# KiCad board proteus.kicad_pcb (continued)
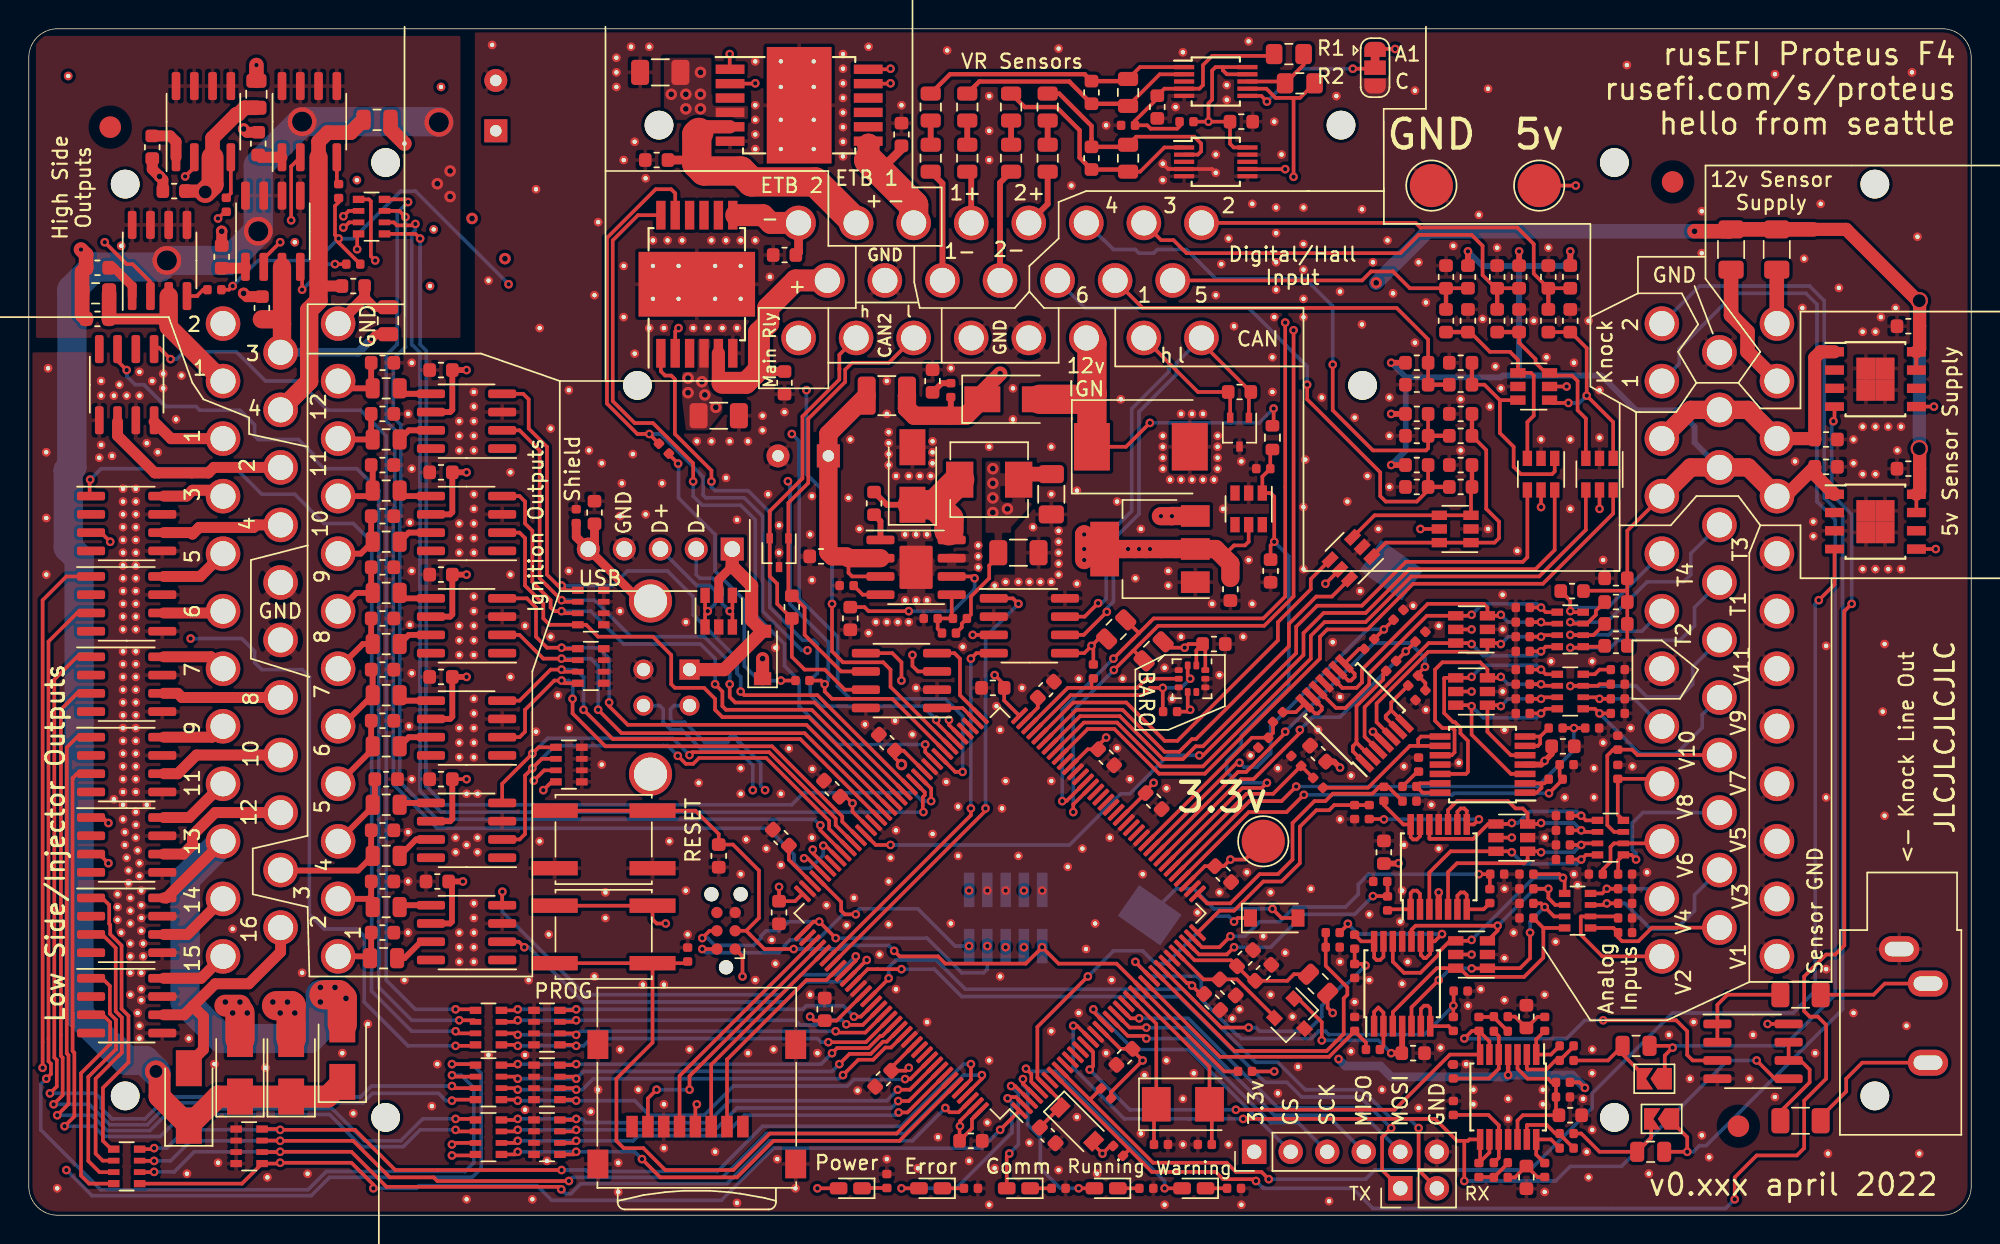
[diagram p0: board, top side]
## Routing (per net, layer and track width the routed paths; a pad name or vN(x,y) marks a point on that pad's centre or on a via; arc(x,y) is an arc through that point) (continued)
/etb-2/DIR: length 42
  Top w0.254: v3(63.06,34.45) 63.06,34.27 U1501.78 ; v2(47.44,51.02) 47.44,51.78 44.9,54.32 44.9,58.13 44.65,58.39 44.22,58.39 43.93,58.68 43.93,59.94
  Bottom w0.254: v3(63.06,34.45) 62.11,35.4 55.06,35.4 54.3,36.16 54.3,37.18 54.81,37.69 54.81,39.72 54.56,39.97 53.79,39.97 51.51,42.26 51.51,48.86 49.98,50.39 47.7,50.39 47.44,50.64 v2(47.44,51.02)
/etb-2/DIS: length 61.3
  Top w0.254: U11.11 44.93,71.06 44.65,71.34 43.57,71.34 40.18,67.95 40.18,56.44 42.3,54.32 v2(43.13,54.32) R48.1 ; U1501.77 63.95,34.09 v3(63.95,34.45)
  In2.Cu w0.254: v2(54.12,39.28) 54.12,36.34 55.32,35.15 63.76,35.15 63.95,34.96 v3(63.95,34.45)
  Bottom w0.254: 54.05,39.35 v2(54.12,39.28) 53.72,39.28 51,42 51,48.61 49.73,49.88 47.06,49.88 46.86,50.08 46.86,51.35 43.89,54.32 v2(43.13,54.32)
/HS1: length 13.7
  Top w0.762: 9.73,61.77 9.18,62.32 C1301.1
  Top w1.016: R34.1 5.58,62.35 C1301.1
  Top w1.27: J102.2 9.73,61.77 U1102.3
/HS2: length 19.5
  Top w0.914: v4(12.27,71.15) 12.2,71.21 C1302.1
  Top w1.016: 12.77,73.56 12.77,74.9 14.42,76.55 14.55,76.55 15.01,77.01 R35.1
  Top w1.524: 12.77,73.56 12.77,71.66 v4(12.27,71.15)
  In2.Cu w2.032: J102.1 12.3,63.2 12.3,66.9 11.63,67.57 11.63,70.52 v4(12.27,71.15)
/HS3: length 15.5
  Top w0.61: v2(23.82,60.93) 24.15,61.26 R36.1
  Top w1.27: J102.13 17.6,60.1 17.6,61.94 ; U1104.3 17.6,61.94 ; 17.6,61.94 17.24,62.3 C1303.1
  Bottom w0.61: v2(23.82,60.93) 22.9,60 J102.13
/HS4: length 25.2
  Top w0.762: C1304.1 20.27,64.61 20.14,64.74
  Top w1.016: 20.14,73.56 20.14,74.64 20.77,75.28 22.38,75.28 R37.1
  Top w1.27: 20.14,73.56 20.14,63.58 19.49,62.93 19.49,57.99 J102.14
/IGN1: length 4.1
  Top w0.406: C1605.1 23.8,17.95 R1601.1 23.6,18 J102.35
/IGN2: length 4.2
  Top w0.406: 23.8,22.17 23.63,22 J102.34 ; 23.8,22.17 C1606.1 ; 23.8,22.17 23.8,21.53 R1602.1
/IGN3: length 8.7
  Top w0.406: C1608.1 23.8,25.09 R1603.1 22.88,23.97 17.53,23.97 J102.22
/IGN4: length 5.4
  Top w0.406: C1609.1 24.05,28.69 R1604.1 23.9,28.4 J102.33
/IGN5: length 5.4
  Top w0.406: J102.32 23.9,32.4 R1701.1 23.8,32.71 C1702.1
/IGN6: length 5.1
  Top w0.406: C1703.1 23.9,37.84 R1702.1 21.74,34 J102.31
/IGN7: length 4.9
  Top w0.406: C1705.1 23.8,39.82 R1703.1 23.22,39.72 J102.30
/IGN8: length 4.7
  Top w0.406: J102.29 22.77,43.27 R1704.1 23.8,43.38 C1706.1
/IGN9: length 4.6
  Top w0.406: C1802.1 23.8,46.93 R1801.1 23.07,46 J102.28
/IGN10: length 4.4
  Top w0.406: C1803.1 23.9,52.06 R1802.1 23.51,50 J102.27
/IGN11: length 4.2
  Top w0.406: C1805.1 23.8,54.05 R1803.1 21.56,53.94 J102.26
/IGN12: length 4.4
  Top w0.406: J102.25 22,57.5 R1804.1 23.8,57.6 C1806.1
/knock/FILTERED_1: length 57
  Top w0.254: C23.2 101.52,12.09 U5.6 ; C23.2 100.3,12.82 v2(99.77,12.29) ; C23.2 100.78,11.25 U5.7 98.77,11.17 94.93,7.33 v2(83.89,7.33) ; v2(73.73,10.13) 73.97,10.36 73.97,11.35 U1501.14 ; v2(109.42,13.56) 114.5,13.56 115.26,12.79 115.26,11.14 115.64,10.76 U7.3
  Bottom w0.254: v2(109.42,13.56) 108.15,13.56 106.88,12.29 v2(99.77,12.29) ; v2(73.73,10.13) 76.53,7.33 v2(83.89,7.33)
/knock/FILTERED_2: length 67.9
  Top w0.254: v2(72.59,13.18) 72.85,13.18 U1501.15 ; 99.77,5.17 v2(99.77,2.38) ; 99.77,5.17 99.26,5.17 97.74,6.7 v2(84.4,6.7) ; 99.77,5.17 100.02,5.17 100.12,5.27 U5.8 100.87,3.71 C24.2 101.52,4.36 U5.9 ; U7.5 121.36,9.49 v2(120.09,10.76)
  Bottom w0.254: v2(120.09,10.76) 118.06,10.76 110.69,3.4 107.13,3.4 106.12,2.38 v2(99.77,2.38) ; v2(84.4,6.7) 76.15,6.7 72.59,10.25 v2(72.59,13.18)
/knock/V_mid: length 10.8
  Top w0.254: U5.3 103.47,10.19 104.17,9.49 105.59,9.49 105.85,9.24 R40.1 R38.1 106.14,7.16 C1903.2 103.83,6.95 103.47,6.59 U5.12
/KNOCK_1: length 79.8
  Top w0.254: 113.7,9.71 JP1.1 113.7,11.11 v2(114.25,11.65) 114.12,11.78 C1901.2
  Bottom w0.254: v2(114.25,11.65) 114.37,11.78 121.99,11.78 125.55,15.33 125.55,48.35 124.28,49.62 124.28,63.34 123.52,64.1 118.56,64.1 114.7,60.24 114.7,59.2 J103.34
/KNOCK_2: length 81.8
  Top w0.254: JP2.1 114.21,6.48 115.26,5.43 v2(115.26,4.41) C1902.2
  Bottom w0.254: J103.35 116.11,64.61 123.77,64.61 124.79,63.59 124.79,49.88 126.06,48.61 126.06,14.32 116.58,4.84 116.11,4.84 115.69,4.41 v2(115.26,4.41)
/lowside_quad1/IN1: length 27.9
  Top w0.254: RN202.8 37.98,14.25 v2(38.05,14.32) ; v2(57.35,13.81) 57.84,13.81 U1501.123 ; RN201.4 33.91,14.25 v2(33.98,14.32)
  Bottom w0.254: v2(57.35,13.81) 56.59,14.57 54.05,14.57 53.79,14.32 v2(38.05,14.32) v2(33.98,14.32)
/lowside_quad1/IN2: length 28.3
  Top w0.254: v2(56.82,13.28) 56.87,13.23 57.96,13.23 U1501.124 ; RN201.3 33.87,13.45 v2(33.98,13.56) ; v2(38.05,13.56) 37.94,13.45 RN202.7
  Bottom w0.254: v2(56.82,13.28) 56.52,13.58 55.09,13.58 54.74,13.23 53.61,13.23 53.29,13.56 v2(38.05,13.56) v2(33.98,13.56)
/lowside_quad1/IN3: length 28.5
  Top w0.254: RN201.2 33.87,12.65 v2(33.98,12.54) ; U1501.125 58.14,12.7 56.17,12.7 v2(56.08,12.79) ; v2(38.05,12.54) 37.94,12.65 RN202.6
  Bottom w0.254: v2(33.98,12.54) v2(38.05,12.54) 38.3,12.79 v2(56.08,12.79)
/lowside_quad1/IN4: length 29.1
  Top w0.254: v2(55.57,12.03) 58.18,12.03 U1501.126 ; RN201.1 33.91,11.85 v2(33.98,11.78) ; RN202.5 37.98,11.85 v2(38.05,11.78)
  Bottom w0.254: v2(33.98,11.78) v2(38.05,11.78) 38.55,11.78 39.06,12.29 54.81,12.29 55.06,12.03 v2(55.57,12.03)
/lowside_quad2/IN1: length 29.6
  Top w0.254: U1501.127 59.33,12.47 59.19,12.47 58.35,11.63 56.18,11.63 v2(55.83,11.27) ; v2(38.05,10.51) 37.98,10.44 RN302.8 ; RN301.4 33.91,10.44 v2(33.98,10.51)
  Bottom w0.254: v2(33.98,10.51) v2(38.05,10.51) 55.06,10.51 v2(55.83,11.27)
/lowside_quad2/IN2: length 30.3
  Top w0.254: RN302.7 37.9,9.64 v2(38.05,9.49) ; v2(33.98,9.49) 33.84,9.64 RN301.3 ; v2(56.33,10.51) 57.05,11.22 58.52,11.22 59.36,12.07 59.63,12.07 U1501.128
  Bottom w0.254: v2(56.33,10.51) 55.83,10 38.55,10 v2(38.05,9.49) v2(33.98,9.49)
/lowside_quad2/IN3: length 30.8
  Top w0.254: v2(56.59,9.75) 57.65,10.81 58.68,10.81 59.53,11.66 59.93,11.66 U1501.129 ; RN302.6 37.94,8.84 v2(38.05,8.73) ; v2(33.98,8.73) 33.87,8.84 RN301.2
  Bottom w0.254: v2(33.98,8.73) v2(38.05,8.73) 38.47,8.73 39.23,9.49 56.33,9.49 v2(56.59,9.75)
/lowside_quad2/IN4: length 33
  Top w0.254: v2(33.98,7.97) 33.91,8.04 RN301.1 ; v2(38.05,7.97) 37.98,8.04 RN302.5 ; v2(60.9,9.47) 61.27,9.47 U1501.134
  Bottom w0.254: v2(60.9,9.47) 60.87,9.44 57.35,9.44 56.9,8.98 48.97,8.98 46.94,6.95 43.13,6.95 42.11,7.97 v2(38.05,7.97) v2(33.98,7.97)
/lowside_quad3/IN1: length 33.1
  Top w0.254: RN401.4 33.91,6.63 v2(33.98,6.7) ; RN402.8 37.98,6.63 v2(38.05,6.7) ; U1501.135 61.24,8.73 v2(60.4,8.73)
  Bottom w0.254: v2(60.4,8.73) 59.64,7.97 48.71,7.97 47.19,6.44 38.72,6.44 38.47,6.7 v2(38.05,6.7) v2(33.98,6.7)
/lowside_quad3/IN2: length 33.4
  Top w0.254: v2(33.98,5.94) 33.87,5.83 RN401.3 ; v2(60.43,7.94) 61.16,7.94 U1501.136 ; v2(38.05,5.94) 37.94,5.83 RN402.7
  Bottom w0.254: v2(60.43,7.94) 59.95,7.46 49.22,7.46 47.7,5.94 v2(38.05,5.94) v2(33.98,5.94)
/lowside_quad3/IN3: length 34
  Top w0.254: v2(60.45,7.15) 61.07,7.15 U1501.137 ; v2(33.98,5.17) 33.84,5.03 RN401.2 ; v2(38.05,5.17) 37.9,5.03 RN402.6
  Bottom w0.254: v2(60.45,7.15) 60.26,6.95 49.73,6.95 48.31,5.53 42.36,5.53 42.01,5.17 v2(38.05,5.17) v2(33.98,5.17)
/lowside_quad3/IN4: length 36.2
  Top w0.254: v2(33.98,4.41) 33.8,4.23 RN401.1 ; RN402.5 37.86,4.23 v2(38.05,4.41) ; v2(42.62,3.9) 43.89,2.63 49.22,2.63 51.76,5.17 60.51,5.17 U1501.139
  Bottom w0.254: v2(33.98,4.41) v2(38.05,4.41) 42.11,4.41 v2(42.62,3.9)
/lowside_quad4/IN1: length 66
  Top w0.254: U1501.140 65.48,9.43 v2(65.48,10.51) ; RN502.8 17.41,5.99 v2(17.47,5.94) 22.68,5.94 25.47,3.14 v2(37.03,3.14) ; RN501.4 8.64,4.6 v2(8.71,4.67)
  Bottom w0.254: v2(17.47,5.94) 10.87,5.94 9.6,4.67 v2(8.71,4.67) ; v2(65.48,10.51) 64.97,10.51 60.65,6.19 51,6.19 47.85,3.04 38.81,3.04 38.71,3.14 v2(37.03,3.14)
/lowside_quad4/IN2: length 66.5
  Top w0.254: v2(66.24,9.75) 66.24,9.49 U1501.141 ; RN501.3 7.72,3.78 v2(8.71,3.78) ; v2(37.54,2.38) 28.39,2.38 28.14,2.63 25.09,2.63 22.55,5.17 v2(17.47,5.17) 17.45,5.19 16.21,5.19
  Bottom w0.254: v2(37.54,2.38) 37.79,2.63 48.21,2.63 51.25,5.68 60.91,5.68 64.97,9.75 v2(66.24,9.75) ; v2(17.47,5.17) 11.25,5.17 9.85,3.78 v2(8.71,3.78)
/lowside_quad4/IN3: length 63.7
  Top w0.254: U1501.142 64.62,7.16 64,7.16 v2(63.7,7.46) ; RN501.2 8.69,3 v2(8.71,3.01) ; v2(37.01,1.8) 36.83,1.97 24.86,1.97 22.42,4.41 v2(17.47,4.41) 17.45,4.39 RN502.6
  Bottom w0.254: v2(8.71,3.01) 10.11,3.01 11.5,4.41 v2(17.47,4.41) ; v2(37.01,1.8) 37.31,1.5 37.68,1.5 38.37,2.2 48.53,2.2 51.51,5.17 61.41,5.17 v2(63.7,7.46)
/lowside_quad4/IN4: length 65.7
  Top w0.254: U1501.1 68.85,7.27 v2(67.51,5.94) ; v2(23.95,1.87) 23.95,2.13 22.42,3.65 v2(17.47,3.65) 17.41,3.59 RN502.5 14.82,2.2 RN501.1
  Bottom w0.254: v2(23.95,1.87) 26.94,1.87 27.12,2.05 35.32,2.05 36.34,1.04 48.13,1.04 51.76,4.67 66.24,4.67 v2(67.51,5.94)
/LS1: length 5.3
  Top w0.762: J102.3 9.89,54 8.71,55.18
/LS2: length 13.5
  Top w0.762: J102.15 12.86,52 12.48,51.62 8.76,51.62 6.17,54.2 6.17,55.18
/LS3: length 4.6
  Top w0.762: J102.4 13.09,50.41 11.38,50.41 10.97,50.01 9.38,50.01
  Bottom w0.305: 13.37,50.13 J102.4
/LS4: length 8.4
  Top w0.762: J102.16 15.8,48 15.63,47.83 11.84,47.83 11.38,47.36 11.27,47.47 9.38,47.47
/LS5: length 4.8
  Top w0.762: 9.38,44.42 11.92,44.42 J102.5
/LS6: length 4.2
  Top w0.762: J102.6 13.38,41.88 9.38,41.88
  Bottom w0.305: 13.5,42 J102.6
/LS7: length 4.5
  Top w0.762: J102.7 12.67,38.83 9.38,38.83
  Bottom w0.305: 13.44,37.94 J102.7
/LS8: length 8.2
  Top w0.762: J102.19 10.64,36 10.35,36.29 9.38,36.29
/LS9: length 4.4
  Top w0.762: 9.38,33.24 12.74,33.24 J102.8
/LS10: length 8.7
  Top w0.762: J102.20 11.65,32 10.35,30.7 9.38,30.7
/LS11: length 5.1
  Top w0.762: 9.38,27.65 11.15,27.65 J102.9
/LS12: length 9.7
  Top w0.762: J102.21 12.95,28 11.38,26.42 11.38,25.75 10.74,25.11 9.38,25.11
/LS13: length 35.3
  Top w0.762: J102.10 9.57,22.06 9.38,22.06
  Top w2.032: D103.2 21.79,15.08 21.54,15.33 20.52,15.33
  Bottom w2.032: 21.28,15.33 20.27,15.33 20.27,13.05 19.5,12.29 13.41,12.29 10.87,14.83 10.87,23.37 J102.10
  vias: v1(20.27,15.84) v1(20.27,14.83) v1(21.28,15.84) v1(22.04,15.08)
/LS14: length 19.1
  Top w0.762: 9.38,19.52 11.02,19.52 J102.11
  Top w1.524: 14.68,14.57 13.66,14.57
  Top w2.032: D101.2 14.68,14.06
  In2.Cu w2.032: 14.68,14.57 13.15,14.57 10.87,16.86 10.87,19.65 13.22,22 J102.11
  vias: v1(13.66,14.83) v1(14.17,14.06) v1(14.68,14.83) v1(15.19,14.06)
/LS15: length 15.5
  Top w0.762: 9.38,16.48 11.98,16.48 J102.12
  Top w2.032: D104.2 18.23,14.57 17.22,14.57
  In2.Cu w2.032: 18.23,14.57 17.22,14.57 17.22,15.84 15.95,17.11 14.39,17.11 J102.12
  Bottom w0.305: J102.12 13.5,17.68
  Bottom w0.762: 13.66,17.84 J102.12
  vias: v1(16.96,14.83) v1(17.47,14.06) v1(17.98,14.83) v1(18.49,14.06)
/LS16: length 16.7
  Top w0.762: 11.4,14.54 12.96,16.1 15.29,16.1 17.5,18.3 J102.23 ; 11.4,14.54 10.8,13.94 9.38,13.94 ; 11.4,14.54 12.14,13.81 12.14,11.52 11.12,10.51 D102.2
/mcu/AT1: length 24.9
  Top w0.254: v2(88.34,33.75) 88.34,33.54 85.12,30.32 84.24,30.32 U1501.44 ; R29.2 v2(95.7,39.21) R25.1
  Bottom w0.254: v2(95.7,39.21) 91.13,34.64 89.23,34.64 v2(88.34,33.75)
/mcu/AT2: length 27.8
  Top w0.254: v2(87.32,33.62) 87.32,33.54 84.61,30.83 84.05,30.83 U1501.45 ; R30.2 97.06,37.01 R26.1 96.55,37.65 v2(97.04,38.13)
  Bottom w0.254: v2(87.32,33.62) 93.49,39.79 95.98,39.79 97.04,38.74 v2(97.04,38.13)
/mcu/AT3: length 25.7
  Top w0.254: R31.2 v2(94.18,40.73) R27.1 ; U1501.46 83.97,31.46 v2(84.15,31.46)
  Bottom w0.254: v2(84.15,31.46) 84.45,31.16 85.37,31.16 86.31,32.1 86.31,34 93.04,40.73 v2(94.18,40.73)
/mcu/AT4: length 12.7
  Top w0.254: R28.1 86.47,33.53 R32.2 85.01,33.2 U1501.47
/mcu/AUX_SPI_CS: length 19.2
  Top w0.254: U1501.18 73.99,14.16 v2(73.99,14.32)
  Bottom w0.254: v2(73.99,14.32) 76.78,11.52 80.59,11.52 J1505.2
/mcu/AUX_SPI_MISO: length 21.2
  Top w0.254: U1501.20 76.51,13.05 v2(77.67,13.05)
  Bottom w0.254: v2(77.67,13.05) 80.46,13.05 86.56,6.95 90.24,6.95 J1505.4
/mcu/AUX_SPI_MOSI: length 23.5
  Top w0.254: v2(77.17,13.69) 76.58,13.69 U1501.21
  Bottom w0.254: v2(77.17,13.69) 80.58,13.69 86.81,7.46 92.28,7.46 J1505.5
/mcu/AUX_SPI_SCK: length 18.8
  Top w0.254: U1501.19 76.38,12.47 77.49,12.47 v2(77.67,12.29)
  Bottom w0.254: v2(77.67,12.29) 80.46,12.29 86.31,6.44 88.21,6.44 J1505.3
/mcu/BARO_SCL: length 15
  Top w0.254: U1501.69 72.41,36.16 77.42,36.16 77.92,36.67 v2(78.81,36.67) 78.81,35.04 R41.2 ; v2(80.72,37.3) 80.55,37.48 U9.2
  Bottom w0.254: v2(80.72,37.3) 80.08,36.67 v2(78.81,36.67)
/mcu/BARO_SDA: length 12.4
  Top w0.254: R39.2 73.86,37.2 73.86,36.67 ; 73.86,36.67 77.03,36.67 77.67,37.3 U9.4 ; 73.86,36.67 72.21,36.67 U1501.70
/mcu/BOOT0: length 49.3
  Top w0.254: SW1502.1 SW1502.1 ; SW1502.1 43.35,12 40.84,9.49 40.84,5.17 41.35,4.67 42.71,4.67 44.24,3.14 48.97,3.14 51.51,5.68 60.31,5.68 U1501.138 ; SW1502.1 45.67,17.52 R1513.1
/mcu/CAN2_RX: length 6.3
  Top w0.254: U1501.73 66.15,34.73 64.72,36.16 64.72,38.7 64.33,39.08 U6.4
/mcu/CAN2_TX: length 3
  Top w0.254: U6.1 64.89,35.27 U1501.74
/mcu/CAN_RX: length 26.7
  Top w0.254: v2(65.48,38.7) 65.86,39.08 U904.4 ; U1501.114 65.48,27.82 v2(65.48,28.29)
  Bottom w0.254: v2(65.48,38.7) v2(65.48,28.29)
/mcu/CAN_TX: length 32.2
  Top w0.254: U1501.115 66.49,28.13 v2(66.49,28.29) ; U904.1 68.4,42.89 v2(68.78,42.51)
  Bottom w0.254: v2(68.78,42.51) 66.49,40.23 v2(66.49,28.29)
/mcu/DIGITAL1: length 61.9
  Top w0.254: U1501.96 58.86,25.75 v2(59.89,25.75) ; U1202.6 106.05,46.26 104.72,44.92 95.96,44.92 92.91,41.88 89.99,41.88 88.59,40.48 88.59,38.96 81.61,31.97 v2(81.35,31.97)
  Bottom w0.254: v2(59.89,25.75) 72.34,25.75 75.89,29.3 76.53,29.3 79.19,31.97 v2(81.35,31.97)
/mcu/DIGITAL2: length 50.5
  Top w0.254: U1207.6 110.12,48.8 105.23,43.91 96.21,43.91 93.04,40.73 90.24,40.73 89.73,40.23 89.73,38.7 81.73,30.7 78.56,30.7 75.45,33.81 73.59,33.81 U1501.64
/mcu/DIGITAL3: length 49.5
  Top w0.254: U1501.65 73.33,34.26 75.64,34.26 78.69,31.21 81.61,31.21 89.1,38.7 89.1,40.29 90.05,41.24 92.91,41.24 96.08,44.42 104.97,44.42 108.22,47.66 U1207.4
/mcu/DIGITAL4: length 29.2
  Top w0.254: U1208.6 90.57,43.02 89.48,43.02 87.58,41.11 87.58,39.56 81.13,33.11 80.84,33.11 79.96,32.23 78.94,32.23 76.02,35.15 72.81,35.15 U1501.67 70.62,32.99
/mcu/DIGITAL5: length 46.9
  Top w0.254: U1501.66 73.07,34.7 75.83,34.7 78.81,31.72 80.21,31.72 81.1,32.61 81.61,32.61 88.08,39.08 88.08,40.92 89.54,42.38 92.66,42.38 95.7,45.43 103.83,45.43 104.15,45.75 U1202.4
/mcu/DIGITAL6: length 28.6
  Top w0.254: U1208.4 89.1,44.24 89.1,43.53 86.81,41.24 86.81,39.97 79.83,32.99 78.94,32.99 76.27,35.65 72.61,35.65 U1501.68
/mcu/ETB1_PWM: length 67.3
  Top w0.254: v2(64.9,30.83) 64.39,30.83 U1501.81 ; U10.12 59.85,79.68 v2(59.89,79.72)
  In2.Cu w0.254: v2(59.89,79.72) 58.62,78.45 58.62,72.61 57.6,71.59 56.59,71.59 55.57,70.58 55.57,67.53 56.08,67.02 56.84,67.02 57.6,66.26 57.6,63.72 56.84,62.96 56.08,62.96 55.57,62.45 55.57,56.86 v2(53.03,54.32)
  Bottom w0.254: v2(64.9,30.83) 64.9,34.71 63.7,35.91 57.1,35.91 56.21,36.8 56.21,40.23 53.54,42.89 53.54,53.81 v2(53.03,54.32)
/mcu/ETB2_PWM: length 55.5
  Top w0.254: U11.12 42.34,69.54 40.59,67.78 40.59,56.61 42.11,55.09 43.38,55.09 46.17,52.29 v2(46.17,51.02) ; v3(62.3,32.73) 62.3,32.21 U1501.82
  Bottom w0.254: v3(62.3,32.73) 56.21,32.73 53.54,35.4 53.54,37.18 52.52,38.19 52.52,39.72 50.49,41.75 50.49,48.35 49.48,49.37 46.81,49.37 46.17,50.01 v2(46.17,51.02)
/mcu/HS1: length 78.2
  Top w0.254: v3(26.36,70.45) 26.18,70.64 RN1301.4 ; U1501.101 55.38,25.7 v2(55.22,25.7)
  Bottom w0.254: v3(26.36,70.45) 25.6,69.69 25.6,60.55 24.84,59.78 24.84,55.21 25.45,54.6 25.45,49.22 25.35,49.12 25.35,29.94 28.38,26.9 51.37,26.9 53.18,25.09 53.18,24.48 53.54,24.12 54.3,24.12 55.22,25.04 v2(55.22,25.7)
/mcu/HS2: length 74.7
  Top w0.254: U1501.100 55.01,26.77 v2(55.01,27.12) ; v3(26.18,69.41) 25.75,69.84 RN1301.3
  Bottom w0.254: v2(55.01,27.12) 54.61,27.53 28.39,27.53 25.79,30.13 25.79,48.54 25.85,48.61 25.85,54.96 25.35,55.47 25.35,59.53 26.18,60.36 26.18,68.98 ; 26.18,68.98 26.11,68.91 ; 26.18,68.98 v3(26.18,69.41)
/mcu/HS3: length 80.1
  Top w0.254: v2(62.18,28.03) 62.14,28.07 62.14,29.07 62.27,29.21 62.27,29.41 U1501.86 ; v3(26.87,68.93) 26.77,68.83 25.58,68.83 25.38,69.04 RN1301.2
  Bottom w0.254: v2(62.18,28.03) 28.65,28.03 27.2,29.49 27.2,59.97 26.62,60.55 26.62,68.25 26.87,68.5 v3(26.87,68.93)
/mcu/HS4: length 79.1
  Top w0.254: v3(27.2,67.91) 26.87,68.24 RN1301.1 ; v2(62.71,28.8) 62.71,29.67 U1501.85
  Bottom w0.254: v2(62.71,28.8) 62.08,28.8 61.5,29.38 53.87,29.38 53.03,28.54 28.9,28.54 27.6,29.84 27.6,37.66 27.63,37.69 27.63,60.1 27.2,60.54 v3(27.2,67.91)
/mcu/IGN1: length 42.7
  Top w0.254: U1501.118 58.24,17.75 v2(58.24,17.75) ; v2(35.76,29.56) 36.34,30.14 RN1601.8 ; v2(34.44,18.64) 34.06,19.02 U1602.2
  In2.Cu w0.254: v2(35.76,29.56) 34.44,28.24 v2(34.44,18.64)
  Bottom w0.254: v2(34.44,18.64) 34.74,18.64 38.55,14.83 52.52,14.83 53.92,16.22 56.72,16.22 v2(58.24,17.75)
/mcu/IGN2: length 42.8
  Top w0.254: v2(32.92,22.5) 32.9,22.48 U1602.4 ; U1501.117 57.48,17.69 v2(57.48,18) ; RN1601.7 35.82,30.94 v2(35.1,30.22)
  In2.Cu w0.254: v2(35.1,30.22) 34.03,29.15 34.03,22.95 33.58,22.5 v2(32.92,22.5)
  Bottom w0.254: v2(57.48,18) 56.21,16.73 53.67,16.73 52.27,15.33 38.68,15.33 32.92,21.1 v2(32.92,22.5)
/mcu/IGN3: length 34.7
  Top w0.254: U1501.99 55.62,26.87 55.62,27.42 51.25,31.79 46.58,31.79 46.17,31.39 45.67,31.39 v2(45.11,31.95) ; 32.9,26.13 34.11,26.13 34.49,26.51 34.49,30.57 v2(35,31.08) 35.65,31.74 RN1601.6
  Bottom w0.254: v2(45.11,31.95) 44.4,32.66 36.57,32.66 v2(35,31.08)
/mcu/IGN4: length 32.3
  Top w0.254: RN1601.5 35.44,32.54 v2(35,32.1) 32.9,30 U1603.4 ; v2(45.92,32) 46.12,32.2 51.46,32.2 56.08,27.58 56.08,27.12 U1501.98
  Bottom w0.254: v2(35,32.1) 36.06,33.16 44.75,33.16 v2(45.92,32)
/mcu/IGN5: length 34.4
  Top w0.254: U1701.2 34.11,33.24 34.49,33.62 34.49,35.15 36.52,37.18 v2(37.03,37.18) 37.21,36.99 RN1701.8 ; v2(37.79,35.91) 37.79,34.89 40.08,32.61 51.66,32.61 56.54,27.73 56.54,27.37 U1501.97
  Bottom w0.254: v2(37.03,37.18) 37.54,37.18 37.79,36.92 v2(37.79,35.91)
/mcu/IGN6: length 33.9
  Top w0.254: 32.9,35.78 34.11,35.78 36.27,37.94 v2(37.03,37.94) 37.18,37.79 RN1701.7 ; v2(38.55,35.15) 40.59,33.11 53.62,33.11 U1501.93
  Bottom w0.254: v2(38.55,35.15) 38.55,37.43 38.05,37.94 v2(37.03,37.94)
/mcu/IGN7: length 34.6
  Top w0.254: U1501.92 53.92,33.52 41.2,33.52 v2(39.57,35.15) ; U1702.2 34.11,40.35 35.76,38.7 v2(37.03,38.7) 37.14,38.59 RN1701.6
  Bottom w0.254: v2(37.03,38.7) 39.06,38.7 39.57,38.19 v2(39.57,35.15)
/mcu/IGN8: length 37.2
  Top w0.254: U1501.91 54.05,34.1 41.63,34.1 40.33,35.4 v2(40.33,35.65) ; U1702.4 34.62,42.89 35.25,42.26 35.25,40.23 36.01,39.46 v2(37.03,39.46) 37.1,39.39 RN1701.5
  Bottom w0.254: v2(37.03,39.46) 39.57,39.46 40.33,38.7 v2(40.33,35.65)
/mcu/IGN9: length 39.2
  Top w0.254: U1801.2 34.11,47.47 34.49,47.08 34.49,43.78 35.76,42.51 35.76,41.5 36.2,41.06 RN1801.8 38.74,41.06 39.57,40.23 43.38,40.23 44.65,38.96 44.65,36.92 44.9,36.67 46.94,36.67 47.7,35.91 47.7,35.15 48.21,34.64 54.22,34.64 U1501.90
/mcu/IGN10: length 42.4
  Top w0.254: RN1801.7 37.18,41.86 v2(37.03,42) 36.52,42 36.27,42.26 36.27,42.77 35,44.04 35,47.59 34.49,48.1 34.49,49.62 34.11,50.01 U1801.4 ; U1501.89 54.41,35.15 48.46,35.15 48.21,35.4 48.21,36.42 v2(47.7,36.92)
  Bottom w0.254: v2(37.03,42) 39.06,42 41.35,39.72 46.68,39.72 47.7,38.7 v2(47.7,36.92)
/mcu/IGN11: length 46.2
  Top w0.254: U1501.88 54.61,35.65 49.09,35.65 48.71,36.03 v2(48.71,36.92) ; 32.9,54.58 34.11,54.58 35.51,53.18 35.51,44.29 v2(37.03,42.77) 37.14,42.66 RN1801.6
  Bottom w0.254: v2(37.03,42.77) 39.32,42.77 41.86,40.23 46.94,40.23 48.71,38.45 v2(48.71,36.92)
/mcu/IGN12: length 50.1
  Top w0.254: RN1801.5 37.35,43.46 v2(37.03,43.78) 36.78,43.78 36.01,44.54 36.01,53.43 34.74,54.7 34.74,56.74 34.36,57.12 32.9,57.12 ; v2(49.48,36.42) 49.73,36.16 54.81,36.16 61.2,29.78 U1501.87
  Bottom w0.254: v2(37.03,43.78) 40.59,43.78 41.6,44.8 44.4,44.8 46.17,43.02 46.17,41.75 49.22,38.7 49.22,37.69 49.48,37.43 v2(49.48,36.42)
/mcu/LED1: length 14.5
  Top w0.254: D1504.2 v2(60.65,1.87) ; v2(68.03,8.13) 68.12,8.22 68.61,8.22 U1501.2
  Bottom w0.254: v2(68.03,8.13) 68.33,7.83 68.33,5.74 64.46,1.87 v2(60.65,1.87)
/mcu/LED2: length 9.4
  Top w0.254: v2(68.14,4.29) 67.97,4.11 D1505.2 ; U1501.3 68.56,8.98 v2(68.27,8.98)
  Bottom w0.254: v2(68.27,8.98) 68.78,8.48 68.78,4.92 v2(68.14,4.29)
/mcu/LED3: length 12.5
  Top w0.254: U1501.4 69.1,9.15 v2(69.1,9.47) ; D1506.2 v2(72.97,1.87)
  Bottom w0.254: v2(69.1,9.47) 69.1,9.04 69.42,8.72 69.42,6.32 70.3,5.43 70.3,3.27 71.7,1.87 v2(72.97,1.87)
/mcu/LED4: length 16.5
  Top w0.254: v2(78.94,1.87) D1507.2 ; U1501.5 69.67,9.28 69.67,9.82 v2(69.31,10.19)
  Bottom w0.254: v2(78.94,1.87) 78.94,2.38 71.32,10 69.5,10 v2(69.31,10.19)
/mcu/nRESET: length 61.1
  Top w0.254: v2(53.16,18.51) 51.13,18.51 49.86,19.78 ; v2(60.14,18.38) 60.53,18 63.19,18 63.7,17.49 69.29,17.49 v2(70.43,18.64) 71.57,17.49 75.6,17.49 U1501.25 83.1,10 R1502.1 ; 49.86,19.78 J4.3 ; 49.86,19.78 50.75,20.67 50.75,23.97 48.94,25.77 C1517.2 47.95,26.51 46.33,28.13 SW1501.1 SW1501.1
  Bottom w0.254: J1502.10 v2(70.43,18.64) ; v2(60.14,18.38) 59.76,18.76 56.72,18.76 56.46,18.51 v2(53.16,18.51)
/mcu/SD_CS: length 15
  Top w0.254: J1.2 48.53,10.83 54.05,16.35 55.43,16.35 U1501.116
/mcu/SD_MISO: length 18.7
  Top w0.254: J1.7 43.03,8.12 v2(43.63,8.73) ; v2(45.92,8.73) 45.92,9.67 U1501.112
  Bottom w0.254: v2(43.63,8.73) v2(45.92,8.73)
/mcu/SD_MOSI: length 15.3
  Top w0.254: U1501.113 47.43,10.47 J1.3
/mcu/SD_SCK: length 16.6
  Top w0.254: J1.5 45.23,9.69 U1501.111
/mcu/SWCLK: length 26.7
  Top w0.254: U1501.109 54.54,20.41 v2(54.94,20.41) v2(56.08,19.27) ; v2(46.81,19.27) 47.32,19.78 J4.4
  Bottom w0.254: v2(46.81,19.27) 47.19,19.27 47.7,18.76 50.37,18.76 50.87,19.27 50.87,19.4 51.25,19.78 52.14,19.78 52.78,20.41 v2(54.94,20.41) ; v2(66.62,18.72) 66.62,17.11 66.37,16.86 64.84,16.86 62.43,19.27 v2(56.08,19.27)
/mcu/SWDIO: length 26.2
  Top w0.254: v2(57.48,20.92) 56.72,20.92 56.46,21.18 56.46,21.79 U1501.105 54.83,23.44 ; J4.2 v2(46.81,18.51)
  Bottom w0.254: v2(65.35,18.72) 64.38,18.72 61.8,21.3 57.73,21.3 57.48,21.05 v2(57.48,20.92) 56.59,20.92 54.81,19.14 52.91,19.14 52.52,18.76 52.52,18.64 52.14,18.26 47.06,18.26 v2(46.81,18.51)
/mcu/UART_RX: length 49.4
  Top w0.254: J2.2 96.59,3.14 v2(96.59,6.06) ; v2(59.76,16.48) 59.76,16.44 U1501.122
  Bottom w0.254: v2(96.59,6.06) 95.96,6.7 94.69,6.7 92.66,8.73 88.72,8.73 86.81,10.63 85.29,10.63 80.21,15.71 65.1,15.71 63.06,17.75 60.27,17.75 59.76,17.24 v2(59.76,16.48)
/mcu/UART_TX: length 47.4
  Top w0.254: v2(60.65,17.11) 58.31,17.11 U1501.119 ; v2(94.69,6.06) 94.05,5.43 94.05,3.14 J2.1
  Bottom w0.254: v2(94.69,6.06) 92.53,8.22 88.47,8.22 87.45,9.24 85.92,9.24 79.96,15.21 64.84,15.21 62.94,17.11 v2(60.65,17.11)
/quad_analog3/IN4: length 2.1
  Top w0.254: RN901.4 108.84,37.62 109.17,37.94 R904.1
/quad_analog3/OUT4: length 1.6
  Top w0.254: R24.2 96.51,30.85 R20.1 ; 96.47,30.85 96.47,30.8
/triggers/VR1_OUT: length 69
  Top w0.254: R1215.2 76.82,39.24 76.75,39.24 ; v3(87.9,61.54) 87.9,43.02 85.86,40.99 78.49,40.99 76.75,39.24 ; 87.83,77.69 86.66,77.69 86.01,78.33 U1203.7 ; 87.83,77.69 88.35,77.69 R1220.1 ; 87.83,77.69 87.9,77.62 v3(87.9,72.21) ; 76.75,39.24 v3(75.41,37.91) ; U1501.58 72.59,28.56 v3(72.59,28.03)
  In1.Cu w0.254: v3(87.9,61.54) v3(87.9,72.21)
  Bottom w0.254: v3(72.59,28.03) 72.59,35.09 v3(75.41,37.91)
/triggers/VR2_OUT: length 60.9
  Top w0.254: v3(71.83,28.8) 72.11,28.8 U1501.59 ; v3(75.38,38.7) 77.16,40.48 ; 77.16,40.48 78.18,41.5 85.8,41.5 87.32,43.02 v3(87.32,62.07) ; 77.16,40.48 77.15,40.48 R1216.2 ; v3(87.32,72.74) 84.7,72.74 U1204.7
  In1.Cu w0.254: v3(87.32,62.07) v3(87.32,72.74)